# Altium PCB RFC_MB.PcbDoc (part 36 of 37) (continued)
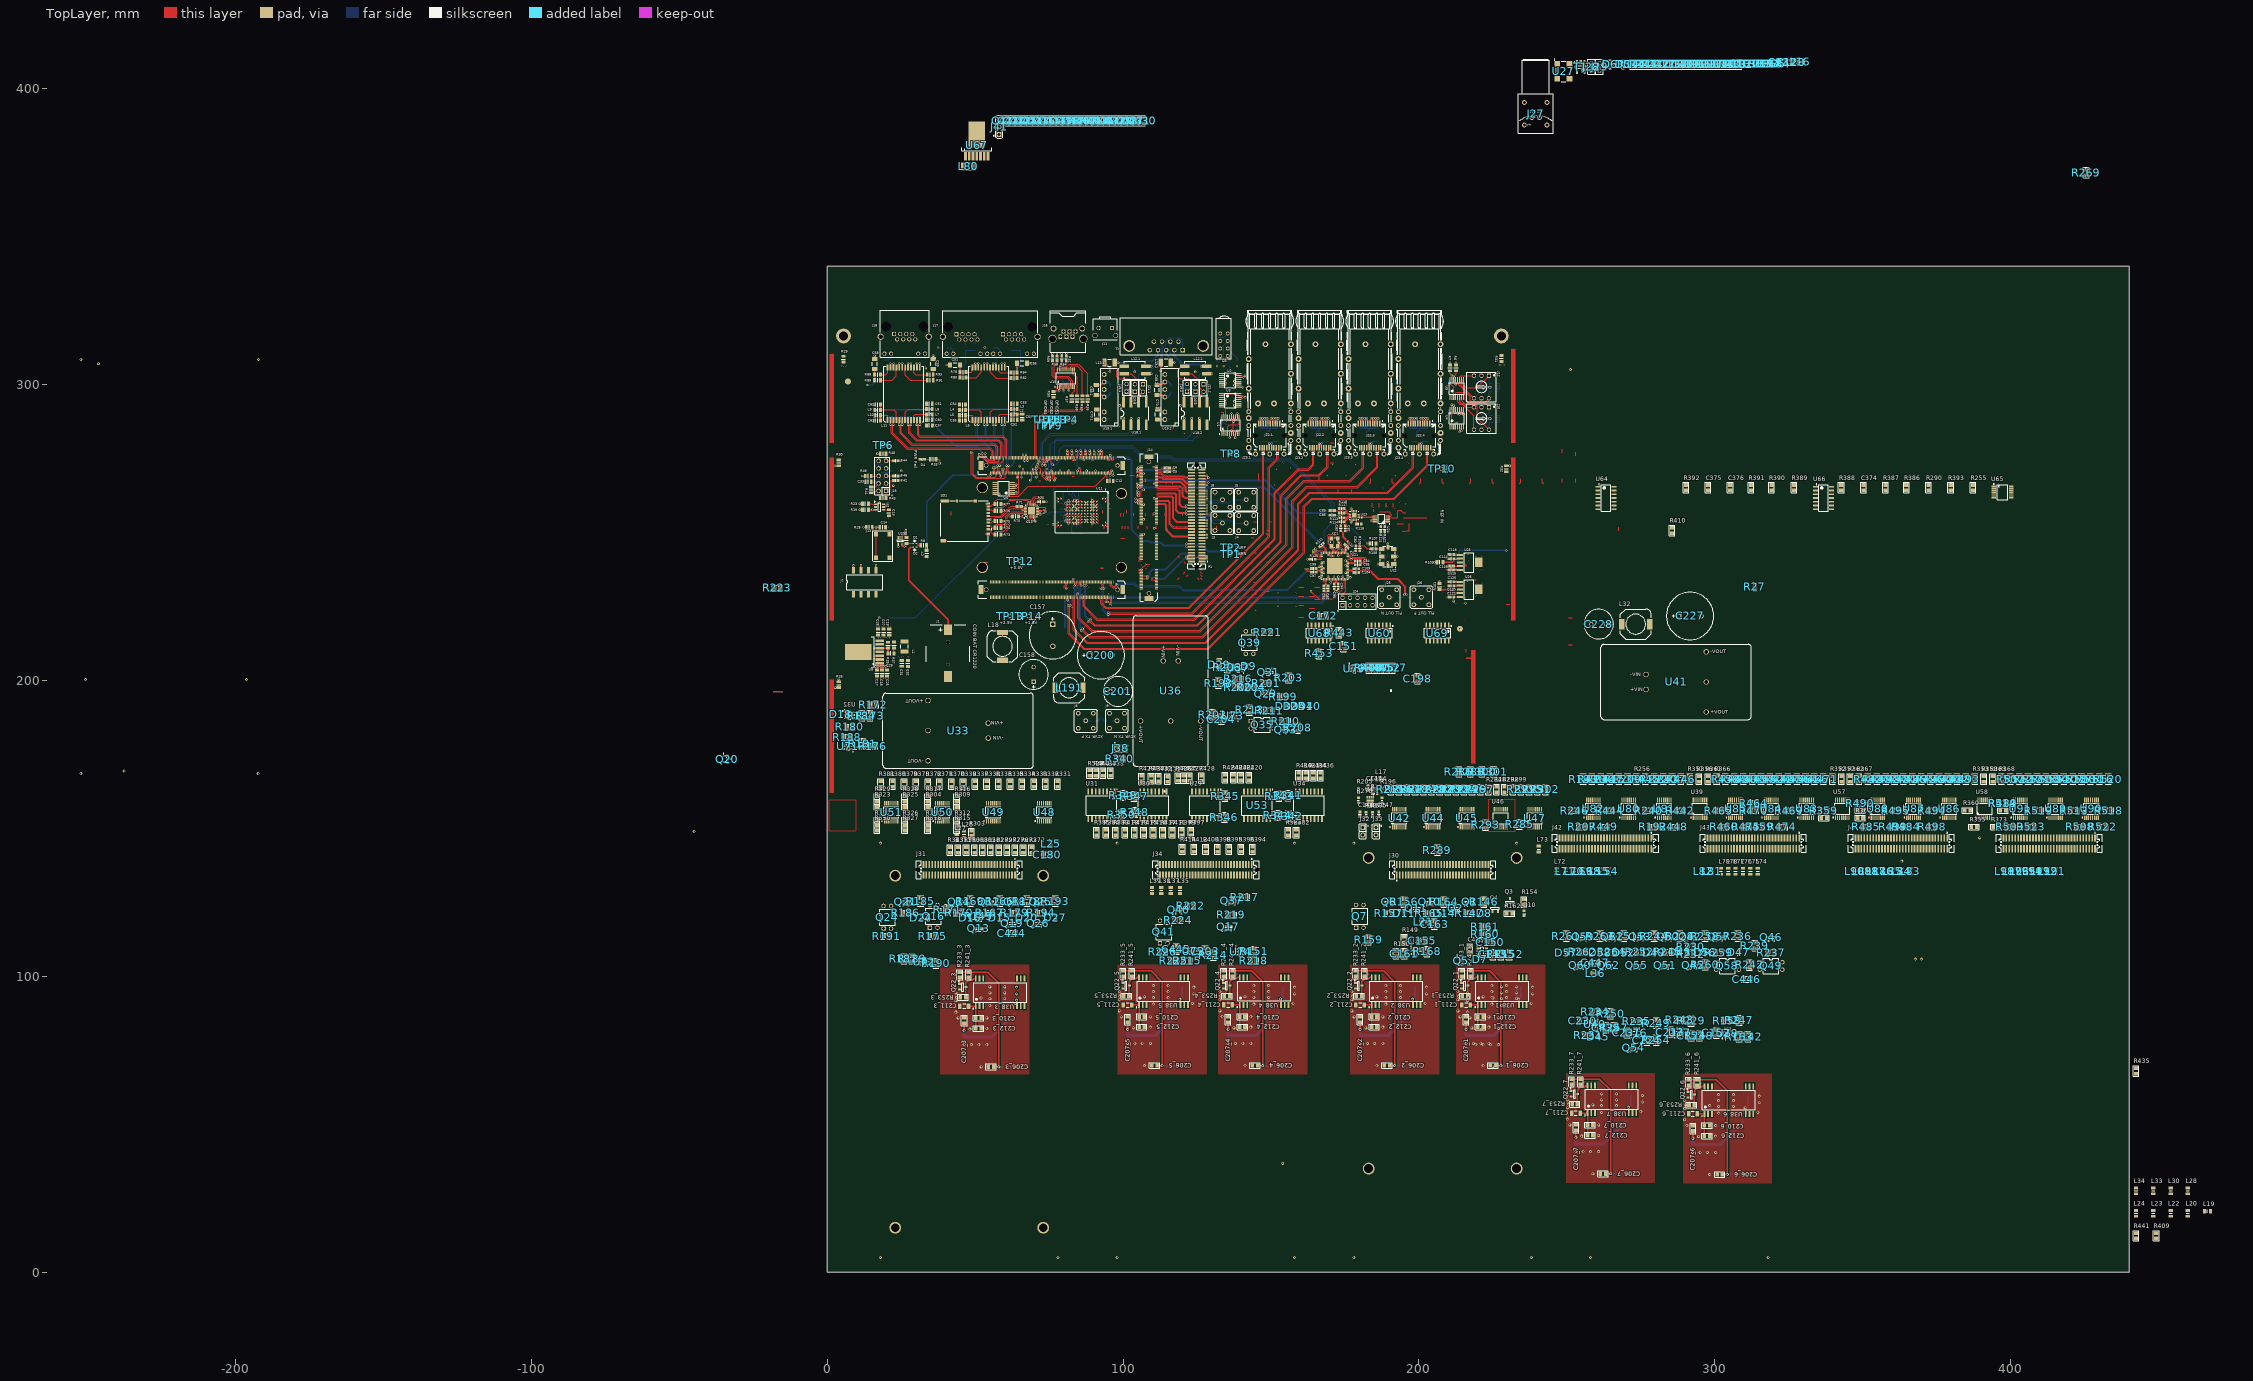
[diagram p0: TopLayer view]
## Nets (pads, with @x,y where several pads share a name; then routed paths per layer and width w, separated by ;. In a path a pad name is that pad's centre, name@x,y a point inside that pad or via, vN(x,y) a via of type N, cw(c..) or ccw(c..) an arc to the next point about the centre after c; other vN are vias at no path point) (continued)
  TopLayer w0.25: U21.35@168.775,234.225 168.775,233.675 168.737,233.637 168.737,232.338 C92.1@169.2,231.875
out5: J43.1 U83.6
OUT5_N: U21.37
OUT5_P: U21.38
out6: J43.5 U83.5
OUT6_N: C95.1 U21.41 | length 1.9
  TopLayer w0.25: C95.1@171.35,232.525 171.813,232.988 171.813,233.637 171.775,233.675 U21.41@171.775,234.225
OUT6_P: C94.1 U21.42 | length 1.9
  TopLayer w0.25: U21.42@172.275,234.225 172.275,233.675 172.238,233.637 172.238,232.988 C94.1@172.7,232.525
out7: J43.9 U83.4
OUT7_N: U21.44
OUT7_P: U21.45
out8: J43.13 U83.3
OUT8_N: U21.50
OUT8_P: U21.51
out9: J44.1 U86.6
OUT9_N: C104.1 U21.53 | length 2.4
  TopLayer w0.15: U21.53@175.975,236.925 176.475,236.925 176.563,237.012 177.125,237.012 177.14,237 177.24,236.9 177.55,236.9 C104.1@178.05,236.4
OUT9_P: C109.1 U21.54 | length 2.4
  TopLayer w0.15: U21.54@175.975,237.425 176.475,237.425 176.563,237.338 177.262,237.338 177.375,237.225 177.55,237.225 C109.1@178.05,237.725
out10: J44.5 U86.5
OUT10_N: U21.55
OUT10_P: U21.56
out11: J44.9 U86.4
out12: J44.13 U86.3
out13: J45.1 U89.6
out14: J45.5 U89.5
out15: J45.9 U89.4
out16: J45.13 U89.3
out17: J42.17 J43.17 J44.17 U39.3
out18: J42.21 J43.21 J44.21 U39.4
out19: J42.25 J43.25 J44.25 U39.5
out20: J42.29 J43.29 J44.29 U39.6
P0_: R297.1 U45.11
P0DDS: J30.7 U42.4
P1_: R287.1 U46.14
P1DDS: J30.10 U42.5
P2_: R284.1 U46.13
P2DDS: J30.14 U44.3
P3_: R298.1 U46.12
P3DDS: J30.11 U42.6
PWR_EN: C12.2 J14.A10 | length 2.6
  TopLayer w0.2: C12.2@94.66,267.41 94.675,267.425 J14.A10@94.675,270.05
PWR_FAIL_LED: R33.1 U6.4 U6.5 | length 35
  TopLayer w0.15: R33.1@36.815,274.71 37.715,274.71 38,274.425 v1(38,273.4) ; U6.4@62.56,264.84 63.74,264.84 63.9,265 v1(63.9,265.187) 63.9,265.375 63.785,265.49 U6.5@62.56,265.49
  MidLayer3 w0.15: v1(38,273.4) 39.25,273.4 39.435,273.585 48.565,273.585 51.075,271.075 54.425,271.075 60.313,265.187 v1(63.9,265.187)
PWR_GOOD: J14.A12 U6.3 | length 39.9
  TopLayer w0.15: U6.3@62.56,264.19 61.365,264.19 60.95,263.775 60.95,262.775 61.425,262.3 64.675,262.3 67.975,265.6 90.6,265.6 94.175,269.175 J14.A12@94.175,270.05
Q9_N: C104.2 R126.1 R127.2 | length 23.3
  TopLayer w0.15: C104.2@179.65,236.4 180.15,236.9 183.35,236.9 186.075,234.175 192.65,234.175 195.25,231.575 195.25,229.172 v1(195.077,229)
  BottomLayer w0.25: R126.1@193.125,228.1 R127.2@194.7,228.1 194.7,228.623 v1(195.077,229)
Q9_P: C109.2 R128.1 R129.2 | length 23.8
  TopLayer w0.15: C109.2@179.65,237.725 180.15,237.225 183.485,237.225 186.21,234.5 192.785,234.5 195.575,231.71 195.575,229.172 v1(195.747,229)
  BottomLayer w0.25: v1(195.747,229) 196.1,228.648 R129.2@196.1,228.1 R128.1@197.65,228.1
QBR_N: J14.A45 P1.12 TP1.1 | length 82
  TopLayer w0.15: J14.A45@85.675,275.25 v1(85.675,276.625) ; v1(121.425,245.15) P1.12@123.1,245.15
  BottomLayer w0.15: v1(85.675,276.625) 85.675,276.065 86.54,275.2 101.625,275.2 102.81,274.015 102.81,250.731 106.54,247 108.6,247 109.1,246.5 112.6,246.5 113.65,245.45 121.125,245.45 v1(121.425,245.15) 121.763,245.488 126.563,245.488 128.6,243.45 135.525,243.45 TP1.1@136.3,242.675
QBR_P: J14.A43 P1.14 TP2.1 | length 84
  TopLayer w0.15: v1(85.675,277.625) 86.175,277.125 J14.A43@86.175,275.25 ; v1(121.425,246.15) P1.14@123.1,246.15
  BottomLayer w0.15: v1(85.675,277.625) 86.175,277.125 86.175,276.025 86.675,275.525 101.76,275.525 103.135,274.15 103.135,250.865 106.675,247.325 108.735,247.325 109.235,246.825 112.735,246.825 113.785,245.775 121.05,245.775 v1(121.425,246.15) 121.763,245.812 126.697,245.812 128.735,243.775 135.4,243.775 136.3,244.675 TP2.1@136.3,244.775
r_FDEC: J24.3 U21.25 | length 24.4
  TopLayer w0.15: v1(166.25,238.425) U21.25@167.075,238.425
  MidLayer4 w0.15: v1(166.25,238.425) 165.75,238.425 165.345,238.02 165.345,227.983 166.928,226.4 175.665,226.4 J24.3@176.685,225.38
r_FINC: J24.2 U21.48 | length 6.8
  TopLayer w0.15: J24.2@174.145,227.92 174.145,229.045 175.275,230.175 U21.48@175.275,234.225
r_ISEL0: J24.7 U21.3 | length 24
  TopLayer w0.15: v1(174.05,244.1) 174.275,243.875 U21.3@174.275,243.125
  MidLayer4 w0.15: v1(174.05,244.1) 174.05,243.625 174.33,243.345 176.08,243.345 177.875,241.55 177.875,231.251 180.35,228.776 180.35,226.795 J24.7@181.765,225.38
r_ISEL1: J24.4 U21.4 | length 17.3
  TopLayer w0.15: 173.775,242.2 U21.4@173.775,243.125
  MidLayer4 w0.15: 173.775,242.2 173.775,242.175 175.275,242.175 175.7,241.75 175.7,230.825 176.685,229.84 J24.4@176.685,227.92
r_OEb: J24.6 U21.11 | length 23.1
  TopLayer w0.15: U21.11@170.275,243.125 170.275,242.675 170.925,242.025 v1(171.075,242.025)
  MidLayer4 w0.15: v1(171.075,242.025) 172.075,243.025 175.6,243.025 176.375,242.25 176.375,236.3 177.45,235.225 177.45,231.075 179.225,229.3 J24.6@179.225,227.92
r_RST: J24.5 U21.6 | length 22.7
  TopLayer w0.15: v1(172.775,242.175) U21.6@172.775,243.125
  MidLayer4 w0.15: v1(172.775,242.175) 173.3,242.7 175.4,242.7 176.025,242.075 176.02,242.07 176.02,230.958 177.975,229.003 177.975,226.63 J24.5@179.225,225.38
r_SDO: J24.1 U21.17 | length 28.7
  TopLayer w0.15: v1(165.025,243.725) 166.325,242.425 U21.17@167.075,242.425
  MidLayer4 w0.15: v1(165.025,243.725) 165.025,227.85 167.575,225.3 174.145,225.3 J24.1@174.145,225.38
RateSel0_SFP0: J22.1.7 R100.1.7 U4.4 | length 85.2
  TopLayer w0.15: U4.4@212.4,285.68 v1(212.4,286.95)
  TopLayer w0.3: v1(147.88,288.595) 147.88,288.22 148.175,287.925 J22.1.7@148.175,286.8
  MidLayer3 w0.15: v1(147.88,288.595) 148.81,289.525 155.88,289.525 158.075,287.33 158.075,285.725 158.925,284.875 160.325,284.875 161.225,285.775 161.225,287.547 163.523,289.845 170.055,289.845 171.37,288.53 173.72,288.53 174.875,287.375 174.875,285.525 175.825,284.575 182,284.575 182.95,283.625 185.072,283.625 188.822,279.875 194.075,279.875 196.7,282.5 196.7,284.075 199.075,286.45 204.615,286.45 206.1,287.935 211.99,287.935 212.4,287.525 v1(212.4,286.95)
  BottomLayer w0.15: R100.1.7@147.88,287.7 v1(147.88,288.595)
RateSel0_SFP1: J22.2.7 R100.2.7 U4.6 | length 69.8
  TopLayer w0.15: v1(213.7,283.975) U4.6@213.7,285.68
  TopLayer w0.3: v1(164.755,288.595) 164.755,288.22 165.05,287.925 J22.2.7@165.05,286.8
  MidLayer3 w0.15: v1(164.755,288.595) 164.755,288.88 165.075,289.2 169.775,289.2 171.7,287.275 171.7,284.225 172.335,283.59 172.335,283.04 173.125,282.25 177.125,282.25 177.925,281.45 186.325,281.45 190.925,276.85 193.9,276.85 195.32,278.27 195.32,280.195 197.345,282.22 197.345,283.795 199.35,285.8 204.9,285.8 206.38,287.28 208.861,287.28 210.14,286 213.225,286 213.7,285.525 v1(213.7,283.975)
  BottomLayer w0.15: R100.2.7@164.755,287.7 v1(164.755,288.595)
RateSel0_SFP2: J22.3.7 R100.3.7 U4.9 | length 42.8
  TopLayer w0.15: v1(215,289.875) U4.9@215,291.52
  TopLayer w0.3: v1(181.63,288.595) 181.63,288.22 181.925,287.925 J22.3.7@181.925,286.8
  MidLayer3 w0.15: v1(181.63,288.595) 181.63,287.395 183,286.025 188.725,286.025 189.85,284.9 192.25,284.9 192.525,284.625 196.322,284.625 198.792,287.095 204.348,287.095 205.833,288.58 214.48,288.58 215,289.1 v1(215,289.875)
  BottomLayer w0.15: R100.3.7@181.63,287.7 v1(181.63,288.595)
RateSel0_SFP3: J22.4.7 R100.4.7 U4.11 | length 21.3
  TopLayer w0.15: v1(213.7,289.875) U4.11@213.7,291.52
  TopLayer w0.3: v1(198.505,288.595) 198.505,288.22 198.8,287.925 J22.4.7@198.8,286.8
  MidLayer3 w0.15: v1(198.505,288.595) 198.505,288.12 198.875,287.75 204.058,287.75 205.538,289.23 213.33,289.23 213.7,289.6 v1(213.7,289.875)
  BottomLayer w0.15: R100.4.7@198.505,287.7 v1(198.505,288.595)
RateSel1_SFP0: J22.1.9 R100.1.5 U4.5 | length 80.7
  TopLayer w0.15: U4.5@213.05,285.68 213.05,287.325 213.055,287.33
  TopLayer w0.3: v1(146.28,288.595) 146.28,288.17 146.575,287.875 J22.1.9@146.575,286.8
  MidLayer3 w0.15: v1(146.28,288.595) 147.535,289.85 156.05,289.85 158.625,287.275 160.5,287.275 163.4,290.175 170.2,290.175 171.525,288.85 173.95,288.85 175.525,287.275 180.825,287.275 182.4,285.7 183.45,285.7 187.575,281.575 188.825,281.575 189.55,282.3 192.55,282.3 194.555,284.305 196.455,284.305 198.925,286.775 204.48,286.775 205.965,288.26 212.125,288.26 213.055,287.33
  BottomLayer w0.15: R100.1.5@146.28,287.7 v1(146.28,288.595)
RateSel1_SFP1: J22.2.9 R100.2.5 U4.7 | length 70.4
  TopLayer w0.15: v1(214.35,284.35) U4.7@214.35,285.68
  TopLayer w0.3: v1(163.155,288.595) 163.155,288.17 163.45,287.875 J22.2.9@163.45,286.8
  MidLayer3 w0.15: v1(163.155,288.595) 163.155,288.93 163.75,289.525 169.91,289.525 172.025,287.41 172.025,286 173.125,284.9 174.95,284.9 175.6,284.25 181.872,284.25 182.817,283.305 184.94,283.305 191.045,277.2 193.775,277.2 195,278.425 195,280.328 197.025,282.353 197.025,283.928 199.217,286.12 204.745,286.12 206.23,287.605 208.995,287.605 210.275,286.325 213.85,286.325 214.35,285.825 v1(214.35,284.35)
  BottomLayer w0.15: R100.2.5@163.155,287.7 v1(163.155,288.595)
RateSel1_SFP2: J22.3.9 R100.3.5 U4.10 | length 42.2
  TopLayer w0.15: v1(214.35,290.25) U4.10@214.35,291.52
  TopLayer w0.3: v1(180.03,288.595) 180.03,288.17 180.325,287.875 J22.3.9@180.325,286.8
  MidLayer3 w0.15: v1(180.03,288.595) 180.03,289.08 180.35,289.4 182.825,289.4 183.125,289.1 183.125,288.05 183.85,287.325 197.625,287.325 197.725,287.425 204.205,287.425 205.69,288.91 213.91,288.91 214.35,289.35 v1(214.35,290.25)
  BottomLayer w0.15: R100.3.5@180.03,287.7 v1(180.03,288.595)
RateSel1_SFP3: J22.4.9 R100.4.5 U4.12 | length 22.7
  TopLayer w0.15: v1(213.05,290.25) U4.12@213.05,291.52
  TopLayer w0.3: v1(196.905,288.595) 196.905,288.17 197.2,287.875 J22.4.9@197.2,286.8
  MidLayer3 w0.15: v1(196.905,288.595) 196.905,289.055 197.125,289.275 199.775,289.275 200,289.05 200,288.525 200.45,288.075 203.93,288.075 205.41,289.555 212.805,289.555 213.05,289.8 v1(213.05,290.25)
  BottomLayer w0.15: R100.4.5@196.905,287.7 v1(196.905,288.595)
Reserv0: J30.46 R300.1
Reserv1: J30.62 R301.1
RL_CH0: R291.1@234.5,162.25 U47.14
RL_CH0dds: J30.58 U47.6
RL_CH1_1: R295.1 U47.13
RL_CH1_1dds: J30.54
RL_CH1_2: R291.1@240,162.25 U47.12
RL_CH1_2dds: J30.50 U47.4 U47.5
RST_R: J15.6 R40.2 R49.1 | length 8.2
  TopLayer w0.3: R49.1@14.875,269.05 17.33,269.05 J15.6@17.38,269.1
  BottomLayer w0.3: J15.6@17.38,269.1 18.68,270.4 20.975,270.4 21.36,270.785 R40.2@22.36,270.785
RSV0_: R339.1 U50.11
RSV0_Host2i: R426.2 U29.4
RSV0i: R397.1 U29.13
RSV1_: R370.1 U50.12
RSV1_Host2i: R427.2 U29.5
RSV1i: R399.1 U29.12
RSV2_: R371.1 U50.13
RSV2_Host2i: R428.2 U29.6
RSV2i: R411.1 U29.11
RSV3_: R372.1 U50.14
RSV3_i2Host: R429.2 U30.14
RSV3i: R413.1 U30.3
RSV4_: R378.1 U51.11
RSV4_i2Host: R430.2 U30.13
RSV4i: R415.1 U30.4
RSV5_: R379.1 U51.12
RSV5_i2Host: R431.2 U30.12
RSV5i: R416.1 U30.5
RSV6_: R380.1 U51.13
RSV6_i2Host: R432.2 U30.11
RSV6i: R417.1 U30.6
RSV7_: R381.1 U51.14
RSV7_Host2i: R433.2 U31.3
RSV7i: R418.1 U31.14
RSV8_i2Host: R434.2 U34.12
RSV8i: R324.2 U34.5
RSV9_i2Host: R436.2 U34.11
RSV9i: R382.2 U34.6
RSV10_Host2i: R439.2 U31.4
RSV10i: R383.2 U31.13
RSV11_Host2i: R440.2 U31.5
RSV11i: R384.2 U31.12
RSV12_Host2i: R528.2 U31.6
RSV12i: R385.2 U31.11
RxLos_SFP0: J22.1.8 R100.1.6 U3.4 | length 22.9
  TopLayer w0.15: U3.4@133.255,294.925 v1(134.75,294.925)
  TopLayer w0.3: v1(147.08,288.595) 147.08,288.17 147.375,287.875 J22.1.8@147.375,286.8
  MidLayer4 w0.15: v1(134.75,294.925) 135.89,293.785 135.89,292.893 136.978,291.805 140.295,291.805 141.21,290.89 141.21,287.765 141.62,287.355 146.305,287.355 147.08,288.13 v1(147.08,288.595)
  BottomLayer w0.15: R100.1.6@147.08,287.7 v1(147.08,288.595)
RxLos_SFP1: J22.2.8 R100.2.6 U3.9 | length 31.7
  TopLayer w0.15: v1(137.9,292.325) U3.9@138.95,292.325
  TopLayer w0.3: v1(163.955,288.595) 163.955,288.17 164.25,287.875 J22.2.8@164.25,286.8
  MidLayer4 w0.15: v1(137.9,292.325) 160.6,292.325 163.955,288.97 v1(163.955,288.595)
  BottomLayer w0.15: R100.2.6@163.955,287.7 v1(163.955,288.595)
RxLos_SFP2: J22.3.8 R100.3.6 U2.4 | length 74.4
  TopLayer w0.15: U2.4@133.255,301.7 v1(134.75,301.7)
  TopLayer w0.3: v1(180.83,288.595) 180.83,288.17 181.125,287.875 J22.3.8@181.125,286.8
  MidLayer4 w0.15: v1(134.75,301.7) 137.905,298.545 140.527,298.545 141.877,297.195 185.652,297.195 187.475,295.372 187.475,287.95 186.95,287.425 182,287.425 v1(180.83,288.595)
  BottomLayer w0.15: R100.3.6@180.83,287.7 v1(180.83,288.595)
RxLos_SFP3: J22.4.8 R100.4.6 U2.9 | length 72
  TopLayer w0.15: U2.9@139.095,299.1 v1(140.35,299.1)
  TopLayer w0.3: v1(197.705,288.595) 197.705,288.17 198,287.875 J22.4.8@198,286.8
  MidLayer4 w0.15: v1(140.35,299.1) 141.5,300.25 194.975,300.25 197.705,297.52 v1(197.705,288.595)
  BottomLayer w0.15: R100.4.6@197.705,287.7 v1(197.705,288.595)
SCLK: R266.1 U42.13
SCLK_host2hall: R333.1 U48.13
SCLK_Host2i: R420.2 U53.4
SCLKdds: J30.22 U45.3
SCLKi: J34.10 U53.13
SDCARD_CLK: R71.2 SD1.5 | length 11.1
  TopLayer w0.15: SD1.5@54.375,255.475 58.725,255.475 62.05,258.8 R71.2@64.075,258.8
SDCARD_CMD: R75.2 SD1.3 U12.20 | length 15.2
  TopLayer w0.15: SD1.3@54.375,253.275 55.45,253.275 56,253.825 R75.2@56.7,253.825 56.7,254.725 57.05,255.075 59.05,255.075 62.025,258.05 U12.20@67.025,258.05
SDCARD_D0: R76.2 SD1.7 U12.18 | length 16.4
  TopLayer w0.15: SD1.7@54.375,257.675 55.4,257.675 55.75,257.325 R76.2@56.7,257.325 ; R76.2@56.7,257.7 56.7,258.15 57.025,258.475 59.5,258.475 61.825,260.8 67.475,260.8 67.775,260.5 U12.18@67.775,259.3
SDCARD_D1: R77.2 SD1.8 U12.16 | length 17.7
  TopLayer w0.15: SD1.8@54.375,258.775 55.225,258.775 56.025,259.575 R77.2@56.7,259.575 56.7,260.55 57.4,261.25 68.35,261.25 68.775,260.825 U12.16@68.775,259.3
SDCARD_D2: R73.2 SD1.1 U12.23 | length 19.6
  TopLayer w0.15: SD1.1@54.375,251.075 55.125,251.075 55.475,250.725 55.475,249.85 56,249.325 R73.2@56.7,249.325 56.7,250.125 57.025,250.45 59.7,250.45 60.775,251.525 60.775,255.3 62.025,256.55 U12.23@67.025,256.55
SDCARD_D3: R74.2 SD1.2 U12.22 | length 16.9
  TopLayer w0.15: SD1.2@54.375,252.175 55.2,252.175 55.8,251.575 R74.2@56.7,251.575 56.7,252.4 57.05,252.75 59.6,252.75 60.275,253.425 60.275,255.507 61.818,257.05 U12.22@67.025,257.05
SDEPAD1: SD1.9 | length 0.7
  TopLayer w0.5: 43.125,260.675 SD1.9@43.875,260.675
SDEPAD2: SD1.10 | length 1
  TopLayer w0.5: 53.375,259.725 SD1.10@54.375,259.725
SDEPAD3: SD1.11 | length 1
  TopLayer w0.5: 53.375,249.525 SD1.11@54.375,249.525
SDEPAD4: SD1.13 | length 1.8
  TopLayer w0.5: SD1.13@39.725,260.675 41.5,260.675
SDEPAD5: SD1.12 | length 1.2
  TopLayer w0.5: SD1.12@39.275,247.175 40.475,247.175
SDEPAD6: SD1.14 | length 1
  TopLayer w0.5: 49.075,260.675 SD1.14@50.075,260.675
SDIO_0_: R267.1 U42.12
SDIO_0_DIR: R269.2 U44.8
SDIO_0dds: J30.19 U44.6
SDIO_1&3_DIR: R286.1 U45.2 U45.8
SDIO_1_: R283.1 U44.11
SDIO_1dds: J30.23 U45.4
SDIO_2_: R274.1 U44.14
SDIO_2_DIR: R288.1 U45.7
SDIO_2dds: J30.26 U45.5
SDIO_3_: R282.1 U44.12
SDIO_3dds: J30.27 U45.6
SDIO_CLK: J14.A91 U12.9 | length 20.7
  TopLayer w0.15: U12.9@71.025,257.05 v1(71.95,257.05) ; v1(74.175,273.825) J14.A91@74.175,275.25
  MidLayer3 w0.15: v1(71.95,257.05) 71.18,257.82 71.18,262.63 72.775,264.225 72.775,267.4 73.675,268.3 73.675,271.775 74.175,272.275 v1(74.175,273.825)
SDIO_CMD: J14.A93 U12.4 | length 26.3
  TopLayer w0.15: v1(69.275,253.8) U12.4@69.275,255.3 ; v1(73.675,272.675) J14.A93@73.675,275.25
  MidLayer3 w0.15: v1(69.275,253.8) 69.85,253.225 70.475,253.225 70.825,253.575 70.825,262.775 72.455,264.405 72.455,271.03 73.675,272.25 v1(73.675,272.675)
SDIO_D0: J14.A95 U12.6 | length 24.2
  TopLayer w0.15: v1(70.275,253.8) U12.6@70.275,255.3 ; v1(73.175,273.3) J14.A95@73.175,275.25
  MidLayer3 w0.15: v1(70.275,253.8) 70.275,255.85 70.425,256 70.425,262.85 72.135,264.56 72.135,271.26 73.175,272.3 v1(73.175,273.3)
SDIO_D1: J14.A97 U12.7 | length 30.2
  TopLayer w0.15: U12.7@71.025,256.05 v1(71.95,256.05) ; v1(72.675,272.6) J14.A97@72.675,275.25
  MidLayer3 w0.15: v1(71.95,256.05) 71.95,254.15 70.705,252.905 69.295,252.905 68.775,253.425 68.775,261.675 70.305,263.205 70.31,263.205 71.815,264.71 71.815,271.465 72.675,272.325 v1(72.675,272.6)
SDIO_D2: J14.A101 U12.1 | length 24.4
  TopLayer w0.15: v1(67.775,254.375) U12.1@67.775,255.3 ; v1(71.675,273.825) J14.A101@71.675,275.25
  MidLayer3 w0.15: v1(67.775,254.375) 67.475,254.675 67.475,262.075 68.925,263.525 70.178,263.525 71.495,264.842 71.495,272.47 71.675,272.65 v1(71.675,273.825)
SDIO_D3: J14.A103 U12.3 | length 26.4
  TopLayer w0.15: v1(67.775,253.625) 68.775,254.625 U12.3@68.775,255.3 ; v1(71.175,273.025) J14.A103@71.175,275.25
  MidLayer3 w0.15: v1(67.775,253.625) 67.15,254.25 67.15,262.225 68.77,263.845 70.045,263.845 71.175,264.975 v1(71.175,273.025)
SDIO_SEL: J7.5 R70.1 U12.24 | length 68.9
  TopLayer w0.15: R70.1@64.675,255.375 v1(65.825,255.375) 66.5,256.05 U12.24@67.025,256.05
  TopLayer w0.25: J7.5@16.49,237.275 v1(16.49,238.845)
  MidLayer3 w0.15: v1(16.49,238.845) 16.49,244.765 33.175,261.45 59.75,261.45 v1(65.825,255.375)
SDO: R334.1 U48.14
SDO_i2Host: R419.2 U34.14
SDOi: J34.14 U34.3
SFP_I2C_0.SCL: J22.1.5 R99.1.5 U1.6 | length 19.4
  TopLayer w0.15: U1.6@136.65,283.225 v1(136.65,284.4)
  TopLayer w0.3: J22.1.5@149.775,286.8 149.775,287.975 150.03,288.23 v1(150.03,288.595)
  MidLayer3 w0.15: v1(136.65,284.4) 136.65,285 139,287.35 148.785,287.35 v1(150.03,288.595)
  BottomLayer w0.15: R99.1.5@150.03,287.7 v1(150.03,288.595)
SFP_I2C_0.SDA: J22.1.4 R99.1.6 U1.5 | length 22.1
  TopLayer w0.15: v1(136,282.05) U1.5@136,283.225
  TopLayer w0.3: J22.1.4@150.575,286.8 150.575,287.925 150.83,288.18 v1(150.83,288.595)
  MidLayer3 w0.15: v1(136,282.05) 137.61,283.66 137.61,284.585 138.05,285.025 143.125,285.025 145.125,287.025 149.26,287.025 v1(150.83,288.595)
  BottomLayer w0.15: R99.1.6@150.83,287.7 v1(150.83,288.595)
SFP_I2C_1.SCL: J22.2.5 R99.2.5 U1.9 | length 35.8
  TopLayer w0.15: U1.9@138.6,283.15 U1.9@138.6,283.225 v1(138.6,284.325)
  TopLayer w0.3: J22.2.5@166.65,286.8 166.65,287.975 166.905,288.23 v1(166.905,288.595)
  MidLayer3 w0.15: v1(138.6,284.325) 142.878,284.325 145.153,286.6 154.128,286.6 155.703,285.025 158.3,285.025 158.825,284.5 162.81,284.5 v1(166.905,288.595)
  BottomLayer w0.15: R99.2.5@166.905,287.7 v1(166.905,288.595)
SFP_I2C_1.SDA: J22.2.4 R99.2.6 U1.8 | length 40.9
  TopLayer w0.15: v1(137.95,281.975) 137.95,283.15 U1.8@137.95,283.225
  TopLayer w0.3: J22.2.4@167.45,286.8 167.45,287.925 167.705,288.18 v1(167.705,288.595)
  MidLayer3 w0.15: v1(137.95,281.975) 138.5,282.525 139.65,283.675 142.7,283.675 145.225,286.2 154.075,286.2 155.46,284.815 155.46,282.965 156.125,282.3 157.625,282.3 159.5,284.175 163.285,284.175 v1(167.705,288.595)
  BottomLayer w0.15: R99.2.6@167.705,287.7 v1(167.705,288.595)
SFP_I2C_2.SCL: J22.3.5 R99.3.5 U1.13 | length 53.2
  TopLayer w0.15: v1(137.95,288.05) U1.13@137.95,289.125
  TopLayer w0.3: J22.3.5@183.525,286.8 183.525,287.975 183.78,288.23 v1(183.78,288.595)
  MidLayer3 w0.15: v1(137.95,288.05) 137.975,288.025 141.875,291.925 181.325,291.925 183.78,289.47 v1(183.78,288.595)
  BottomLayer w0.15: R99.3.5@183.78,287.7 v1(183.78,288.595)
SFP_I2C_2.SDA: J22.3.4 R99.3.6 U1.12 | length 52.6
  TopLayer w0.15: U1.12@138.6,289.125 v1(138.6,290.2)
  TopLayer w0.3: J22.3.4@184.325,286.8 184.325,287.925 184.58,288.18 v1(184.58,288.595)
  MidLayer3 w0.15: v1(138.6,290.2) 139.69,290.2 141.765,292.275 181.45,292.275 184.58,289.145 v1(184.58,288.595)
  BottomLayer w0.15: R99.3.6@184.58,287.7 v1(184.58,288.595)
SFP_I2C_3.SCL: J22.4.5 R99.4.5 U1.16 | length 74.4
  TopLayer w0.15: v1(136,288.05) U1.16@136,289.125
  TopLayer w0.3: J22.4.5@200.4,286.8 200.4,287.975 200.655,288.23 v1(200.655,288.595)
  MidLayer3 w0.15: v1(136,288.05) 137.225,289.275 137.225,289.675 138.25,290.7 139.725,290.7 143.9,294.875 179.95,294.875 182.82,292.005 193.97,292.005 194.925,291.05 198.525,291.05 200.655,288.92 v1(200.655,288.595)
  BottomLayer w0.15: R99.4.5@200.655,287.7 v1(200.655,288.595)
SFP_I2C_3.SDA: J22.4.4 R99.4.6 U1.15 | length 73.5
  TopLayer w0.15: U1.15@136.65,289.125 v1(136.65,290.2)
  TopLayer w0.3: J22.4.4@201.2,286.8 201.2,287.925 201.455,288.18 v1(201.455,288.595)
  MidLayer3 w0.15: v1(136.65,290.2) 137.075,290.2 137.925,291.05 139.6,291.05 143.745,295.195 180.083,295.195 182.953,292.325 194.103,292.325 195.058,291.37 198.68,291.37 v1(201.455,288.595)
  BottomLayer w0.15: R99.4.6@201.455,287.7 v1(201.455,288.595)
SFP_IO_0.TxDis: J22.1.3 R99.1.7 U3.6 | length 29.5
  TopLayer w0.15: U3.6@133.4,293.625 v1(134.75,293.625)
  TopLayer w0.3: J22.1.3@151.375,286.8 151.375,287.95 151.63,288.205 v1(151.63,288.595)
  MidLayer4 w0.15: v1(134.75,293.625) 135.25,293.125 135.25,292.628 136.713,291.165 140.03,291.165 140.57,290.625 140.57,285.802 141.692,284.68 147.715,284.68 v1(151.63,288.595)
  BottomLayer w0.15: R99.1.7@151.63,287.7 v1(151.63,288.595)
SFP_IO_0.TxFault: J22.1.2 R99.1.8 U3.7 | length 30
  TopLayer w0.15: U3.7@133.4,292.975 v1(134.45,292.975)
  TopLayer w0.3: J22.1.2@152.175,286.8 152.175,287.95 152.43,288.205 v1(152.43,288.595)
  MidLayer4 w0.15: v1(134.45,292.975) 136.58,290.845 139.897,290.845 140.25,290.492 140.25,285.67 141.57,284.35 148.185,284.35 v1(152.43,288.595)
  BottomLayer w0.15: R99.1.8@152.43,287.7 v1(152.43,288.595)
SFP_IO_1.TxDis: J22.2.3 R99.2.7 U3.11 | length 39.3
  TopLayer w0.15: 137.895,293.625 U3.11@139.095,293.625
  TopLayer w0.3: J22.2.3@168.25,286.8 168.25,287.95 168.505,288.205 v1(168.505,288.595)
  MidLayer4 w0.15: 138.02,293.625 142.55,293.625 144.35,295.425 163.825,295.425 165.875,293.375 165.875,292.15 168.505,289.52 v1(168.505,288.595)
  BottomLayer w0.15: R99.2.7@168.505,287.7 v1(168.505,288.595)
SFP_IO_1.TxFault: J22.2.2 R99.2.8 U3.12 | length 40.6
  TopLayer w0.15: v1(137.6,294.275) U3.12@139.095,294.275
  TopLayer w0.3: J22.2.2@169.05,286.8 169.05,287.95 169.305,288.205 v1(169.305,288.595)
  MidLayer4 w0.15: v1(137.6,294.275) 142.747,294.275 144.217,295.745 163.958,295.745 166.195,293.508 166.195,292.33 169.305,289.22 v1(169.305,288.595)
  BottomLayer w0.15: R99.2.8@169.305,287.7 v1(169.305,288.595)
SFP_IO_2.TxDis: J22.3.3 R99.3.7 U2.6 | length 67.1
  TopLayer w0.15: U2.6@133.4,300.4 v1(134.75,300.4)
  TopLayer w0.3: J22.3.3@185.125,286.8 185.125,287.95 185.38,288.205 v1(185.38,288.595)
  MidLayer4 w0.15: v1(134.75,300.4) 135.025,300.4 137.53,297.895 140.258,297.895 141.608,296.545 185.383,296.545 186.825,295.103 186.825,288.25 186.65,288.075 185.75,288.075 185.38,288.445 v1(185.38,288.595)
  BottomLayer w0.15: R99.3.7@185.38,287.7 v1(185.38,288.595)
SFP_IO_2.TxFault: J22.3.2 R99.3.8 U2.7 | length 64.4
  TopLayer w0.15: U2.7@133.4,299.75 v1(134.45,299.75)
  TopLayer w0.3: J22.3.2@185.925,286.8 185.925,287.95 186.18,288.205 v1(186.18,288.595)
  MidLayer4 w0.15: v1(134.45,299.75) 135.2,299.75 137.375,297.575 140.125,297.575 141.475,296.225 185.25,296.225 186.505,294.97 186.505,288.92 v1(186.18,288.595)
  BottomLayer w0.15: R99.3.8@186.18,287.7 v1(186.18,288.595)
SFP_IO_3.TxDis: J22.4.3 R99.4.7 U2.11 | length 76.7
  TopLayer w0.15: v1@137.895,300.4 v1(137.9,300.4) U2.11@139.095,300.4
  TopLayer w0.3: J22.4.3@202,286.8 202,287.95 202.255,288.205 v1(202.255,288.595)
  MidLayer4 w0.15: v1(137.9,300.4) 139.65,300.4 140.14,300.89 195.24,300.89 198.345,297.785 198.345,292.955 202.255,289.045 v1(202.255,288.595)
  BottomLayer w0.15: R99.4.7@202.255,287.7 v1(202.255,288.595)
SFP_IO_3.TxFault: J22.4.2 R99.4.8 U2.12 | length 77.9
  TopLayer w0.15: v1(137.6,301.05) U2.12@139.095,301.05
  TopLayer w0.3: J22.4.2@202.8,286.8 202.8,287.95 203.055,288.205 v1(203.055,288.595)
  MidLayer4 w0.15: v1(137.6,301.05) 139.59,301.05 139.75,301.21 195.373,301.21 198.665,297.918 198.665,293.61 203.055,289.22 v1(203.055,288.595)
  BottomLayer w0.15: R99.4.8@203.055,287.7 v1(203.055,288.595)
SFP_RX_0.IO_N: J14.B20 J22.1.13 | length 97.7
  TopLayer w0.25: J14.B20@92.175,228.05 92.175,227.375 92.463,227.087 92.463,225.863 94,224.325 122.404,224.325 147.55,249.471 147.55,277.3 147.75,277.5 147.75,278.6 147.75,278.625 J22.1.13@147.775,278.6
SFP_RX_0.IO_P: J14.B16 J22.1.12 | length 96.3
  TopLayer w0.25: J14.B16@93.175,228.05 93.175,227.375 92.888,227.087 92.888,226.039 94.176,224.75 122.228,224.75 147.125,249.647 147.125,277.325 146.95,277.5 146.95,278.6 146.95,278.625 J22.1.12@146.975,278.6
SFP_RX_1.IO_N: J14.B44 J22.2.13 | length 119.8
  TopLayer w0.25: J14.B44@86.175,228.05 86.175,227.375 86.463,227.087 86.463,224.962 91.05,220.375 124.25,220.375 151.5,247.625 151.5,263.224 159.351,271.075 162.725,271.075 164.463,272.813 164.463,277.287 164.65,277.475 J22.2.13@164.65,278.6
SFP_RX_1.IO_P: J14.B40 J22.2.12 | length 118.4
  TopLayer w0.25: J14.B40@87.175,228.05 87.175,227.375 86.888,227.087 86.888,225.139 91.226,220.8 124.074,220.8 151.075,247.801 151.075,263.4 159.175,271.5 162.549,271.5 164.038,272.989 164.038,277.287 163.85,277.475 J22.2.12@163.85,278.6
SFP_RX_2.IO_N: J14.B50 J22.3.13 | length 144.6
  TopLayer w0.25: J14.B50@84.675,228.05 84.675,227.375 84.713,227.337 84.713,221.061 89.349,216.425 126.076,216.425 155.45,245.799 155.45,261.374 161.201,267.125 176.814,267.125 181.313,271.624 181.313,277.262 181.525,277.475 J22.3.13@181.525,278.6
SFP_RX_2.IO_P: J14.B48 J22.3.12 | length 143.1
  TopLayer w0.25: J14.B48@85.175,228.05 85.175,227.375 85.138,227.337 85.138,221.238 89.525,216.85 125.9,216.85 155.025,245.975 155.025,261.55 161.025,267.55 176.638,267.55 180.887,271.8 180.887,277.312 180.725,277.475 J22.3.12@180.725,278.6
SFP_RX_3.IO_N: J14.B56 J22.4.13 | length 168.5
  TopLayer w0.25: J14.B56@83.175,228.05 83.175,227.375 83.212,227.337 83.212,216.911 87.649,212.475 127.894,212.475 159.4,243.981 159.4,259.524 163.051,263.175 189.526,263.175 198.213,271.861 198.213,277.287 198.4,277.475 J22.4.13@198.4,278.6
SFP_RX_3.IO_P: J14.B54 J22.4.12 | length 167.1
  TopLayer w0.25: J14.B54@83.675,228.05 83.675,227.375 83.637,227.337 83.637,217.088 87.825,212.9 127.718,212.9 158.975,244.157 158.975,259.7 162.875,263.6 189.35,263.6 197.788,272.038 197.788,277.287 197.6,277.475 J22.4.12@197.6,278.6
SFP_TX_0.IO_N: J14.B17 J22.1.19 | length 109.3
  TopLayer w0.25: J14.B17@92.675,233.25 92.675,232.575 92.962,232.287 92.962,231.097 v1(92.84,230.975) ; v1(94.975,222.228) v1@95.098,222.35 ; v1@94.975,222.35 v1@95.098,222.35 ; J22.1.19@152.575,278.6 152.575,277.475 152.388,277.287 152.388,274.65 149.525,271.787 149.525,248.545 123.33,222.35 v1@95.098,222.35
  BottomLayer w0.25: v1(92.84,230.975) 92.962,230.852 92.962,223.731 94.344,222.35 94.852,222.35 v1(94.975,222.228)
SFP_TX_0.IO_P: J14.B13 J22.1.18 | length 107.7
  TopLayer w0.25: v1(93.51,230.975) 93.388,231.097 93.388,232.287 93.675,232.575 J14.B13@93.675,233.25 ; v1(94.975,222.898) 95.098,222.775 123.154,222.775 149.1,248.721 149.1,271.964 151.963,274.826 151.963,277.287 151.775,277.475 J22.1.18@151.775,278.6
  BottomLayer w0.25: v1(93.51,230.975) 93.388,230.852 93.388,223.908 94.52,222.775 94.852,222.775 v1(94.975,222.898)
SFP_TX_1.IO_N: J14.B41 J22.2.19 | length 168.5
  TopLayer w0.25: J14.B41@86.675,233.25 86.675,232.575 86.849,232.401 v1(86.849,232.075) ; v1(88.451,219.951) 88.625,219.951 90.176,218.4 ; J22.2.19@169.45,278.6 169.45,277.475 169.263,277.287 169.263,272.036 166.326,269.1 160.276,269.1 153.475,262.299 153.475,246.711 125.164,218.4 ; 90.176,218.4 125.164,218.4 ; 90.176,218.4 91.999,218.4 125.164,218.4
  BottomLayer w0.25: v1(86.849,232.075) 86.984,231.939 86.984,221.591 88.451,220.124 v1(88.451,219.951)
SFP_TX_1.IO_P: J14.B37 J22.2.18 | length 132.1
  TopLayer w0.25: v1(87.545,232.075) 87.545,232.445 87.675,232.575 J14.B37@87.675,233.25 ; v1(88.925,220.425) 88.925,220.252 90.352,218.825 124.988,218.825 153.05,246.887 153.05,262.475 160.1,269.525 166.15,269.525 168.838,272.213 168.838,277.287 168.65,277.475 J22.2.18@168.65,278.6
  BottomLayer w0.25: v1(87.545,232.075) 87.409,231.939 87.409,221.767 88.752,220.425 v1(88.925,220.425)
SFP_TX_2.IO_N: J14.B47 J22.3.19 | length 157.7
  TopLayer w0.25: 85.124,232.075 85.175,232.126 ; J14.B47@85.175,233.25 85.175,232.575 85.212,232.538 85.212,232.075 ; v1(85.838,216.938) 86.011,216.938 88.499,214.45 126.97,214.45 157.425,244.905 157.425,260.449 162.126,265.15 179.264,265.15 186.138,272.024 186.138,277.287 186.325,277.475 J22.3.19@186.325,278.6
  BottomLayer w0.25: 85.212,232.075 85.124,232.075 85.259,231.939 85.259,217.69 85.838,217.111 v1(85.838,216.938)